# KiCad board rcbus-ymf262-panel.kicad_pcb (continued)
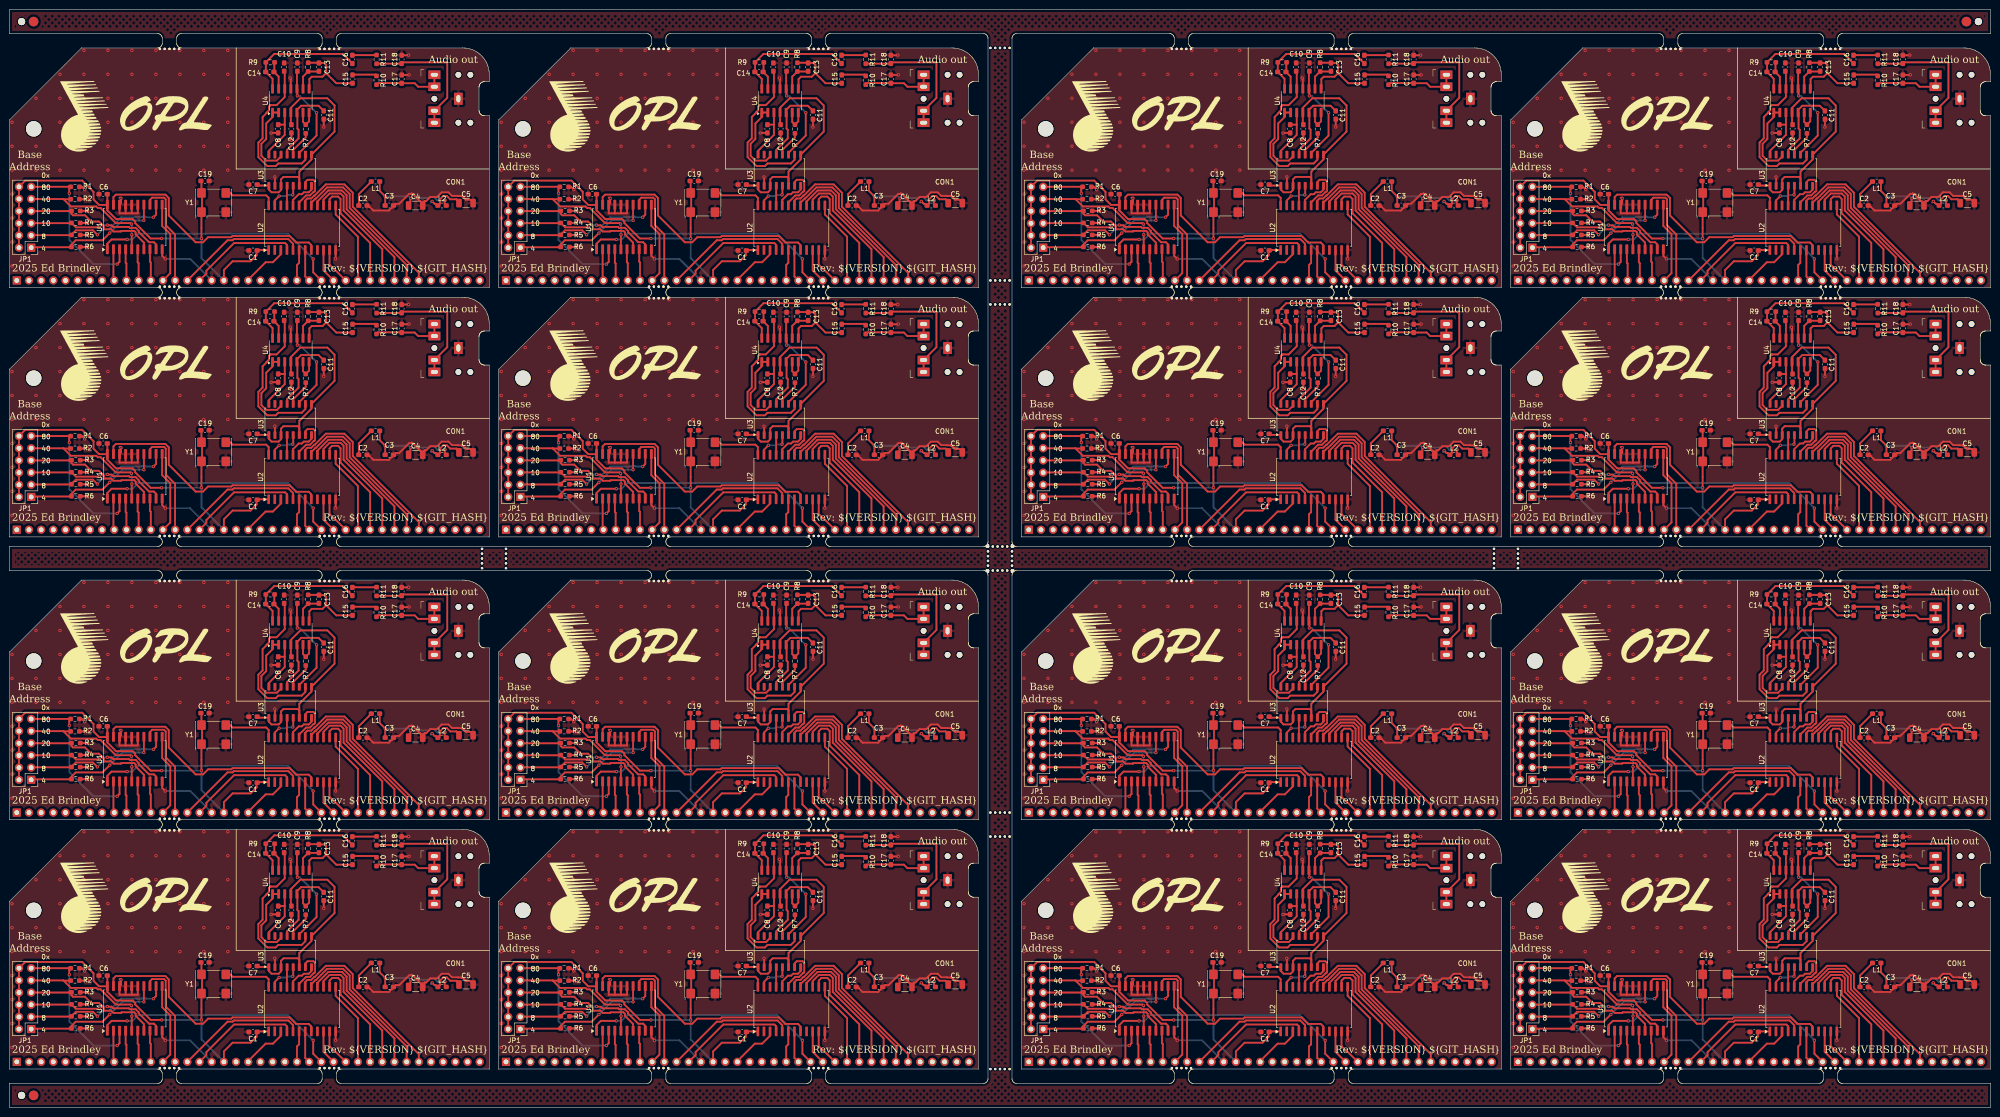
[diagram p0: board, top side]
## Routing (per net, layer and track width the routed paths; a pad name or vN(x,y) marks a point on that pad's centre or on a via; arc(x,y) is an arc through that point) (continued)
  Back w0.381: v1(64,155.5) 60.5,159 v1(60,159)
Board_4-/CLK: length 10.9
  Front w0.381: U2#14.24 54.01,137.74 53.5,138.25 46.48,138.25 45.38,139.35
Board_4-/D0: length 7.2
  Front w0.381: U2#14.10 65.44,122.6 P1#16.27
Board_4-/D1: length 7.8
  Front w0.381: 66.7,126.84 66.7,123.79 67.67,122.81 67.77,122.81 P1#16.28
Board_4-/D2: length 17.6
  Front w0.381: U2#14.13 67.99,134.27 72.62,129.63 P1#16.29
Board_4-/D3: length 23.6
  Front w0.381: U2#14.14 66.71,137.47 67.25,138 68.5,138 69,137.5 69,134.5 75.16,128.34 P1#16.30
Board_4-/D4: length 27
  Front w0.381: P1#16.31 77.7,127.03 69.63,135.1 69.63,138.01 69.01,138.64 66.73,138.64 65.44,137.35 U2#14.15
Board_4-/D5: length 30.2
  Front w0.381: P1#16.32 80.24,125.39 70.27,135.36 70.27,138.28 69.28,139.27 66.46,139.27 64.18,136.98 U2#14.16
Board_4-/D6: length 33.4
  Front w0.381: U2#14.17 62.9,136.71 63.79,137.6 63.89,137.6 66.2,139.91 69.54,139.91 70.91,138.54 70.91,135.62 82.78,123.75 P1#16.33
Board_4-/D7: length 37
  Front w0.381: U2#14.18 61.63,137.15 62.08,137.6 62.89,137.6 63.52,138.23 63.63,138.23 65.94,140.54 69.8,140.54 71.54,138.8 71.54,135.89 85.32,122.11 P1#16.34
Board_4-/DAC_CLK: length 7.2
  Front w0.381: U3#15.5 59.13,138.45 v1(59.04,138.36) ; U2#14.23 55.29,137.19 v1(56.2,138.1)
  Back w0.381: v1(59.04,138.36) 58.98,138.3 57.93,138.3 57.73,138.1 v1(56.2,138.1)
Board_4-/DOAB: length 4.1
  Front w0.381: U2#14.21 57.82,140.21 U3#15.4
Board_4-/L: length 18.1
  Front w0.381: 66,163.75 66,165.5 65.64,165.86 C13#9.1 64.45,165.91 R8#8.2 ; 66,163.75 68.11,161.64 C15#13.1 ; 66,163.75 65.25,163 63,163 62.5,162.5 62.5,160.53 U4#5.8
Board_4-/R: length 25.7
  Front w0.381: C16#11.1 69.46,167.75 55.18,167.75 R9#2.2 53.43,164.04 C14#4.2 54.83,162.56 U4#5.14
Board_4-/SMPAC: length 6.7
  Front w0.381: U3#15.8 62.94,139.45 62.38,138.89 61.34,138.89 60.94,138.49 60.28,138.49 59.1,137.3 U2#14.20
Board_4-/SMPBD: length 10.1
  Front w0.381: U3#15.7 61.68,141.05 62.12,141.5 63.35,141.5 63.69,141.15 63.69,139.2 63.5,139 63.4,139 62.63,138.23 61.82,138.23 60.37,136.78 U2#14.19
Board_4-/~{CS}: length 51.7
  Front w0.381: U2#14.8 62.9,127.9 62.38,128.42 59.73,128.42 58.38,129.77 46.47,129.77 46.22,129.52 41.38,129.52 40.33,128.46 38.79,128.46 33.19,134.06 33.19,137.69 32.47,138.41 22.15,138.41 21.65,137.9 U1#10.19
Board_4-/~{IORQ}: length 52.4
  Front w0.381: P1#16.26 63.3,122.2 v1(63.3,125) ; v1(24.5,129.05) 21.26,129.05 20.38,128.17 U1#10.1
  Back w0.381: v1(24.5,129.05) 25.6,129.05 26.8,130.25 36.39,130.25 36.42,130.21 37.08,130.21 37.11,130.25 58.05,130.25 v1(63.3,125)
Board_4-/~{RD}: length 6.7
  Front w0.381: U2#14.7 61.63,121.33 P1#16.25
Board_4-/~{RESET}: length 9.8
  Front w0.381: 49.76,120.68 53.39,124.3 54.9,124.3 56.56,125.96 56.56,126.74 56.5,126.8
Board_4-/~{WR}: length 6.5
  Front w0.381: P1#16.24 59.92,123.72 60.37,124.17 U2#14.6
Board_4-GND: length 76.5
  Front w0.381: 25.5,134.5 26.73,134.5 26.73,135.84 ; 25.5,134.5 25.46,134.54 U1#10.16 ; 25.5,134.5 24.2,134.5 ; 24.2,134.5 22.92,134.5 22.92,135.71 ; 24.2,134.5 24.19,134.51 U1#10.17 ; R6#9.2 16.18,127.48 v1(16.2,127.5) ; v1(83.3,163.4) 83.26,163.36 C17#9.2 ; C12.2 v1(58.75,149.75) ; v1(15.64,139.44) 15.06,140.03 R1#16.2 ; C2#4.2 75.06,135.85 75.07,135.85 75.83,135.09 79.11,135.09 79.68,135.66 79.68,135.67 C3#7.2 80.52,136.5 80.53,136.51 81.24,136.51 83.28,138.55 83.68,138.55 83.81,138.67 83.94,138.55 84.04,138.55 85.58,137.01 85.66,137.01 85.68,136.99 C4#5.2 86.52,137.02 86.52,137.03 86.54,137.06 86.87,137.06 87.72,137.91 89.13,137.91 90.1,138.88 91.49,138.88 92.23,138.14 93.45,138.14 93.49,138.11 94.25,138.11 94.26,138.1 94.3,138.1 94.31,138.09 94.35,138.09 94.38,138.06 94.39,138.06 94.42,138.03 94.43,138.03 95.13,137.33 96.08,137.33 C5#2.2 ; C11.2 v1(65.5,152.5) ; R2#2.2 16.14,137.44 v1(16.2,137.5) ; 22.92,137.77 23.23,137.77 v1(23.23,137.62) 23.23,136.61 U1#10.18 ; R4#16.2 v1(16.2,132.5) ; C8#15.2 54.52,151.28 v1(54.5,151.25) ; R3#2.2 16.19,135.01 v1(16.2,135) ; U4#5.11 58.64,162.61 v1(58.5,162.75) ; v1(55.3,142.1) 55.32,142.08 U3#15.2 ; C18.2 83.16,167.48 v1(83.2,167.51) ; v1(16.2,130) 16.19,129.99 R5.2 ; v1(32.46,125) 31.81,125.64 U1#10.10 ; 42.67,120.5 P1#16.17 ; U2#14.12 v1(67.99,125)
  Back w0.381: v1(32.46,125) 37.64,125 P1#16.17
  vias: v1(0.5,153.5) v1(0.5,148.5) v1(0.5,143.5) v1(0.5,138.5) v1(0.5,133.5) v1(0.5,128.5) v1(0.5,123.5) v1(5.5,158.5) v1(5.5,148.5) v1(5.5,143.5) v1(10.5,163.5) v1(10.5,158.5) v1(10.5,153.5) v1(10.5,148.5) v1(10.5,143.5) v1(15.5,168.5) v1(15.5,163.5) v1(15.5,158.5) v1(15.5,153.5) v1(15.5,148.5) v1(15.5,143.5) v1(20.5,168.5) v1(20.5,163.5) v1(20.5,158.5) v1(20.5,153.5) v1(20.5,148.5) v1(20.5,143.5) v1(25.5,168.5) v1(25.5,163.5) v1(25.5,158.5) v1(25.5,153.5) v1(25.5,148.5) v1(25.5,143.5) v1(30.5,168.5) v1(30.5,163.5) v1(30.5,158.5) v1(30.5,153.5) v1(30.5,148.5) v1(30.5,143.5) v1(35.5,168.5) v1(35.5,163.5) v1(35.5,158.5) v1(35.5,153.5) v1(35.5,148.5) v1(35.5,143.5) v1(40.5,168.5) v1(40.5,163.5) v1(40.5,158.5) v1(40.5,153.5) v1(40.5,148.5) v1(40.5,143.5) v1(45.5,168.5) v1(45.5,163.5) v1(45.5,158.5) v1(45.5,153.5) v1(45.5,148.5) v1(45.5,143.5)
Board_4-Net-(C3-Pad1): length 21.1
  Front w0.381: L2#3.2 90.71,136.6 90.71,137.12 v1(90.79,137.21) ; v1(83.66,137.63) 83.57,137.54 83.57,137.02 C4#5.1 ; L1#2.1 77.17,139.18 v1(78.32,138.03) 78.32,136.52 78.41,136.42
  Back w0.381: v1(78.32,138.03) 83.26,138.03 v1(83.66,137.63) 87.44,137.63 87.72,137.91 88.47,137.91 89.18,137.21 v1(90.79,137.21)
Board_4-Net-(C15-Pad2): length 5.1
  Front w0.381: R10#2.1 76.22,163.44 71.58,163.44 C15#13.2
Board_4-Net-(C16-Pad2): length 4.5
  Front w0.381: 76.23,167.5 71.75,167.5
Board_4-Net-(C17-Pad1): length 15
  Front w0.381: CON1#3.T CON1#3.TN 85.19,160.91 84.46,161.64 C17#9.1 81.54,161.64 81.5,161.68 76.84,161.68 R10#2.2
Board_4-Net-(C18-Pad1): length 28
  Front w0.381: CON1#3.R CON1#3.RN 91.25,158.59 91.25,166 81.99,166 C18.1 ; 76.8,165.73 81.45,165.73
Board_4-Net-(JP1-Pin_1): length 28.7
  Front w0.381: 5.16,127.43 12.6,127.43 R6#9.1 12.9,128 13.78,128.88 19.36,128.88 v1(20.87,130.38) ; U1#10.14 v1(28,133.03)
  Back w0.381: v1(20.87,130.38) 23.53,133.05 25.92,133.05 25.94,133.03 v1(28,133.03)
Board_4-Net-(JP1-Pin_3): length 30.8
  Front w0.381: v1(18.31,130.03) 17.39,130.95 13.8,130.95 13.28,130.42 R5.1 12.6,129.94 4.56,129.94 JP1#11.3 ; v1(30,133.68) 30.54,134.22 U1#10.12
  Back w0.381: v1(18.31,130.03) 19.45,131.17 20.76,131.17 23.27,133.68 27.54,133.68 27.67,133.81 28.33,133.81 28.46,133.68 v1(30,133.68)
Board_4-Net-(JP1-Pin_5): length 29.4
  Front w0.381: v1(20.37,132.05) 20.42,132 21.26,132 21.59,131.67 24.87,131.67 25.07,131.47 26.29,131.47 26.92,130.84 26.92,130.63 29.08,128.47 30.09,128.47 30.54,128.03 U1#10.9 ; JP1#11.5 4.53,132.45 12.6,132.45 R4#16.1 13.82,131.58 18.64,131.58 v1(18.68,131.62)
  Back w0.381: v1(18.68,131.62) 19.1,132.05 v1(20.37,132.05)
Board_4-Net-(JP1-Pin_7): length 28.1
  Front w0.381: JP1#11.7 12.33,134.96 12.33,134.96 12.6,134.96 R3#2.1 12.9,134.4 13.21,134.09 15.72,134.09 17.02,132.79 18.62,132.79 19.63,131.78 19.63,131.25 19.71,131.17 21.19,131.17 21.65,130.71 23.21,130.71 23.34,130.84 25.99,130.84 26.29,130.54 26.29,130.11 28,128.4 28,127.6
Board_4-Net-(JP1-Pin_9): length 29.9
  Front w0.381: v1(25.48,130.05) 25.46,130.03 U1#10.5 ; 11.22,137.49 11.27,137.44 R2#2.1 ; 11.22,137.49 12.77,135.93 18.08,135.93 18.38,135.63 18.97,135.63 22.14,132.46 25.2,132.46 v1(25.4,132.26) ; 11.22,137.49 4.51,137.49
  Back w0.381: v1(25.4,132.26) 25.48,132.17 v1(25.48,130.05)
Board_4-Net-(JP1-Pin_11): length 34.5
  Front w0.381: U1#10.3 22.92,124.38 v1(22.44,123.9) ; v1(12.46,138.69) 12.43,138.71 12.43,139.56 R1#16.1 ; JP1#11.11 12.43,140.04
  Back w0.381: v1(12.46,138.69) 12.46,128.93 17.49,123.9 v1(22.44,123.9)
Board_4-Net-(U3-AOUT): length 16.9
  Front w0.381: U3#15.13 57.87,147.75 60.25,150.14 60.25,151.94 60,152.19 60,155.43 U4#5.5 59.91,156.08 60.78,156.95 64.42,156.95 C11.1
Board_4-Net-(U3-CV): length 11.5
  Front w0.381: 57.37,153 U4#5.3 ; 57.37,153 57.37,150.86 54.06,147.55 U3#15.16 ; 57.37,153 C8#15.1
Board_4-Net-(U3-MP): length 16.3
  Front w0.381: 55.99,155.53 54.94,155.53 ; U3#15.14 56.6,146.37 55.73,145.51 53.5,145.51 52.5,146.5 52.5,149 53.5,150 53.5,153.25 54.83,154.58 U4#5.1
Board_4-Net-(U3-SWIN): length 5.5
  Front w0.381: R7#6.1 61.75,150.34 59.13,147.72 U3#15.12
Board_4-Net-(U4B--): length 5.6
  Front w0.381: U4#5.6 61.18,153.57 R7#6.2 62.45,153.7 U4#5.7
Board_4-Net-(U4C--): length 6.3
  Front w0.381: C13#9.2 64.45,164.09 R8#8.1 61.18,163.02 U4#5.9
Board_4-Net-(U4D--): length 6
  Front w0.381: U4#5.13 56.1,163.02 C14#4.1 55.2,164.08 55.2,165.72 R9#2.1
Board_4-VCC: length 103.5
  Front w0.381: C2#4.1 72.82,136.15 72.82,138.52 75,140.7 L1#2.2 ; v1(40,129.25) 40,134.03 40.12,134.15 40.12,139.35 ; P1#16.18 44.68,122.68 46.5,124.5 50.25,124.5 51.5,125.75 51.5,126.75 C1#13.1 51.71,126.85 U2#14.1 ; v1(31.71,129.25) 29.41,129.25 26.18,132.48 26.18,132.79 25.66,133.31 22.19,133.31 20.38,135.12 U1#10.20 20.38,138.48 C6#16.1 ; JP1#11.2 JP1#11.12 3.26,141.34 15.14,141.34 17.5,138.98 17.5,137.41 18.65,136.26 20.33,136.26 ; Y1#3.4 40,141.14 C19#12.1
  Back w0.381: P1#16.18 40,125.18 v1(40,129.25) v1(31.71,129.25)
Board_5-+5VA: length 56.5
  Front w0.381: v1(190.1,137) 190.59,136.5 190.81,136.5 L2#5.1 191.71,136.56 191.72,136.57 191.72,137.42 192.42,138.12 193.17,138.12 193.87,137.43 195.16,137.43 195.16,137.42 C5#15.1 ; C7#5.1 153.81,140.3 156,140.3 U3#6.1 156.05,139.45 156.62,138.89 158.1,138.89 158.6,139.38 U3#6.3 158.6,141.6 159.1,142.1 162.11,142.1 162.4,141.8 U3#6.6 162.4,143.21 164.95,145.75 U3#6.9 169.75,151.56 169.75,157 168.25,158.5 162.61,158.5 160.64,156.52 U4#12.4 160.64,153.11 C12#14.1
  Back w0.381: v1(190.1,137) 189.82,136.72
Board_5-/A0: length 23
  Front w0.381: P1#4.16 143.02,121.92 143.02,122.52 148.8,128.3 159.45,128.3 159.83,127.93 U2#15.4
Board_5-/A1: length 27.3
  Front w0.381: U2#15.5 161.1,128.16 160.12,129.14 148.74,129.14 148.49,128.89 147.45,128.89 P1#4.15
Board_5-/A2: length 22.4
  Front w0.381: P1#4.14 136.5,120.52 136.5,130.09 134.56,132.04 134.56,137.43 134.21,137.77 131.72,137.77 131.27,137.33 U1#7.13
Board_5-/A3: length 17.1
  Front w0.381: 133.8,136.29 133.8,131.89 135.5,130.19 135.5,122.02 P1#4.13
Board_5-/A4: length 6.6
  Front w0.381: P1#4.12 131.44,124.26 131.27,124.43 131.27,126.94 131.3,126.97
Board_5-/A5: length 6.6
  Front w0.381: P1#4.11 128.9,124.1 128.7,124.3 128.7,126.97
Board_5-/A6: length 6.6
  Front w0.381: P1#4.10 126.36,124.04 126.2,124.2 126.2,126.99
Board_5-/A7: length 6.6
  Front w0.381: P1#4.9 123.65,120.67 U1#7.2
Board_5-/AUDIO_CH1: length 33.2
  Front w0.381: C10#3.1 159.37,164.02 U4#12.12 159.37,158.77 157.67,157.07 156.44,157.07 156.44,157.07 156.41,157.07 156.41,157.06 156.38,157.06 156.37,157.05 156.36,157.05 156.34,157.03 156.33,157.03 156.08,156.78 156.08,156 155.6,155.52 155.6,155.48 155.59,155.47 155.59,155.44 154.75,154.59 154.75,150.15 153.87,149.26 153.87,146.24 155.74,144.37 157.48,144.37 158.02,144.9 162.9,144.9 163.67,145.68 U3#6.10
Board_5-/AUDIO_CH2: length 20.9
  Front w0.381: U3#6.11 162.4,147.13 166,150.72 v1(166,155.5) ; v1(162,159) 162,160.38 U4#12.10 161.91,164.05 C9#6.1
  Back w0.381: v1(162,159) 162.5,159 v1(166,155.5)
Board_5-/CLK: length 10.9
  Front w0.381: U2#15.24 156.01,137.74 155.5,138.25 148.48,138.25 147.38,139.35
Board_5-/D0: length 7.2
  Front w0.381: P1#4.27 167.45,122.6 U2#15.10
Board_5-/D1: length 7.8
  Front w0.381: 168.7,126.84 168.7,123.79 169.67,122.81 169.77,122.81 P1#4.28
Board_5-/D2: length 17.6
  Front w0.381: P1#4.29 174.62,129.63 169.99,134.27 U2#15.13
Board_5-/D3: length 23.6
  Front w0.381: U2#15.14 168.72,137.47 169.25,138 170.5,138 171,137.5 171,134.5 177.16,128.34 P1#4.30
Board_5-/D4: length 27
  Front w0.381: U2#15.15 167.45,137.35 168.73,138.64 171.01,138.64 171.63,138.01 171.63,135.1 179.7,127.03 P1#4.31
Board_5-/D5: length 30.2
  Front w0.381: U2#15.16 166.17,136.98 168.46,139.27 171.28,139.27 172.27,138.28 172.27,135.36 182.24,125.39 P1#4.32
Board_5-/D6: length 33.4
  Front w0.381: P1#4.33 184.78,123.75 172.91,135.62 172.91,138.54 171.54,139.91 168.2,139.91 165.89,137.6 165.79,137.6 164.9,136.71 U2#15.17
Board_5-/D7: length 37
  Front w0.381: U2#15.18 163.63,137.15 164.08,137.6 164.89,137.6 165.52,138.23 165.63,138.23 167.94,140.54 171.8,140.54 173.54,138.8 173.54,135.89 187.32,122.11 P1#4.34
Board_5-/DAC_CLK: length 7.2
  Front w0.381: U3#6.5 161.13,138.45 v1(161.04,138.36) ; v1(158.2,138.1) 157.28,137.19 U2#15.23
  Back w0.381: v1(161.04,138.36) 160.98,138.3 159.93,138.3 159.73,138.1 v1(158.2,138.1)
Board_5-/DOAB: length 4.1
  Front w0.381: U2#15.21 159.83,140.21 U3#6.4
Board_5-/L: length 18.1
  Front w0.381: 168,163.75 167.25,163 165,163 164.5,162.5 164.5,160.53 U4#12.8 ; 168,163.75 170.11,161.64 C15#2.1 ; 168,163.75 168,165.5 167.64,165.86 C13#14.1 166.45,165.91 R8#4.2
Board_5-/R: length 25.7
  Front w0.381: U4#12.14 156.83,162.56 C14#12.2 155.42,164.04 R9#3.2 157.17,167.75 171.46,167.75 C16.1
Board_5-/SMPAC: length 6.7
  Front w0.381: U3#6.8 164.95,139.45 164.38,138.89 163.34,138.89 162.94,138.49 162.28,138.49 161.1,137.3 U2#15.20
Board_5-/SMPBD: length 10.1
  Front w0.381: U2#15.19 162.37,136.78 163.82,138.23 164.63,138.23 165.4,139 165.5,139 165.69,139.2 165.69,141.15 165.35,141.5 164.12,141.5 163.67,141.05 U3#6.7
Board_5-/~{CS}: length 51.7
  Front w0.381: U2#15.8 164.9,127.9 164.38,128.42 161.73,128.42 160.38,129.77 148.47,129.77 148.22,129.52 143.38,129.52 142.33,128.46 140.79,128.46 135.19,134.06 135.19,137.69 134.47,138.41 124.15,138.41 123.65,137.9 U1#7.19
Board_5-/~{IORQ}: length 52.4
  Front w0.381: P1#4.26 165.3,122.2 v1(165.3,125) ; U1#7.1 122.38,128.17 123.26,129.05 v1(126.5,129.05)
  Back w0.381: v1(126.5,129.05) 127.6,129.05 128.8,130.25 138.39,130.25 138.42,130.21 139.08,130.21 139.11,130.25 160.05,130.25 v1(165.3,125)
Board_5-/~{RD}: length 6.7
  Front w0.381: U2#15.7 163.63,121.33 P1#4.25
Board_5-/~{RESET}: length 9.8
  Front w0.381: 158.5,126.8 158.55,126.74 158.55,125.96 156.9,124.3 155.39,124.3 151.76,120.68
Board_5-/~{WR}: length 6.5
  Front w0.381: U2#15.6 162.37,124.17 161.92,123.72 P1#4.24
Board_5-GND: length 76.5
  Front w0.381: R2#14.2 118.14,137.44 v1(118.2,137.5) ; v1(185.2,167.51) 185.16,167.48 C18#2.2 ; U1#7.16 127.46,134.54 127.5,134.5 ; C8#10.2 156.52,151.28 v1(156.5,151.25) ; U1#7.17 126.19,134.51 126.2,134.5 ; U4#12.11 160.64,162.61 v1(160.5,162.75) ; 127.5,134.5 128.73,134.5 128.73,135.84 ; 127.5,134.5 126.2,134.5 ; R6#10.2 118.18,127.48 v1(118.2,127.5) ; U3#6.2 157.33,142.08 v1(157.3,142.1) ; v1(134.46,125) 133.81,125.64 U1#7.10 ; 124.92,137.77 125.23,137.77 v1(125.23,137.62) 125.23,136.61 U1#7.18 ; C11#6.2 v1(167.5,152.5) ; C5#15.2 198.08,137.33 197.13,137.33 196.43,138.03 196.42,138.03 196.39,138.06 196.38,138.06 196.35,138.09 196.31,138.09 196.3,138.1 196.26,138.1 196.25,138.11 195.49,138.11 195.45,138.14 194.23,138.14 193.49,138.88 192.1,138.88 191.13,137.91 189.72,137.91 188.87,137.06 188.54,137.06 188.52,137.03 188.52,137.02 C4#4.2 187.68,136.99 187.66,137.01 187.58,137.01 186.04,138.55 185.94,138.55 185.81,138.67 185.68,138.55 185.28,138.55 183.24,136.51 182.53,136.51 182.52,136.5 C3#15.2 181.68,135.67 181.68,135.66 181.11,135.09 177.83,135.09 177.07,135.85 177.06,135.85 C2#13.2 ; 126.2,134.5 124.92,134.5 124.92,135.71 ; R4#4.2 v1(118.2,132.5) ; v1(118.2,130) 118.19,129.99 R5#5.2 ; R3.2 118.19,135.01 v1(118.2,135) ; C17#14.2 185.26,163.36 v1(185.3,163.4) ; v1(117.64,139.44) 117.06,140.03 R1#6.2 ; U2#15.12 v1(169.99,125) ; C12#14.2 v1(160.75,149.75) ; 144.67,120.5 P1#4.17
  Back w0.381: P1#4.17 139.64,125 v1(134.46,125)
  vias: v1(102.5,153.5) v1(102.5,148.5) v1(102.5,143.5) v1(102.5,138.5) v1(102.5,133.5) v1(102.5,128.5) v1(102.5,123.5) v1(107.5,158.5) v1(107.5,148.5) v1(107.5,143.5) v1(112.5,163.5) v1(112.5,158.5) v1(112.5,153.5) v1(112.5,148.5) v1(112.5,143.5) v1(117.5,168.5) v1(117.5,163.5) v1(117.5,158.5) v1(117.5,153.5) v1(117.5,148.5) v1(117.5,143.5) v1(122.5,168.5) v1(122.5,163.5) v1(122.5,158.5) v1(122.5,153.5) v1(122.5,148.5) v1(122.5,143.5) v1(127.5,168.5) v1(127.5,163.5) v1(127.5,158.5) v1(127.5,153.5) v1(127.5,148.5) v1(127.5,143.5) v1(132.5,168.5) v1(132.5,163.5) v1(132.5,158.5) v1(132.5,153.5) v1(132.5,148.5) v1(132.5,143.5) v1(137.5,168.5) v1(137.5,163.5) v1(137.5,158.5) v1(137.5,153.5) v1(137.5,148.5) v1(137.5,143.5) v1(142.5,168.5) v1(142.5,163.5) v1(142.5,158.5) v1(142.5,153.5) v1(142.5,148.5) v1(142.5,143.5) v1(147.5,168.5) v1(147.5,163.5) v1(147.5,158.5) v1(147.5,153.5) v1(147.5,148.5) v1(147.5,143.5)
Board_5-Net-(C3-Pad1): length 21.1
  Front w0.381: L2#5.2 192.71,136.6 192.71,137.12 v1(192.79,137.21) ; L1#9.1 179.17,139.18 v1(180.32,138.03) 180.32,136.52 180.41,136.42 ; C4#4.1 185.57,137.02 185.57,137.54 v1(185.66,137.63)
  Back w0.381: v1(192.79,137.21) 191.18,137.21 190.47,137.91 189.72,137.91 189.44,137.63 v1(185.66,137.63) 185.26,138.03 v1(180.32,138.03)
Board_5-Net-(C15-Pad2): length 5.1
  Front w0.381: R10#4.1 178.22,163.44 173.58,163.44 C15#2.2
Board_5-Net-(C16-Pad2): length 4.5
  Front w0.381: 173.75,167.5 178.23,167.5
Board_5-Net-(C17-Pad1): length 15
  Front w0.381: R10#4.2 178.84,161.68 183.5,161.68 183.54,161.64 C17#14.1 186.46,161.64 187.2,160.91 CON1#15.TN CON1#15.T
Board_5-Net-(C18-Pad1): length 28
  Front w0.381: CON1#15.R CON1#15.RN 193.25,158.59 193.25,166 183.99,166 C18#2.1 ; 183.45,165.73 178.8,165.73
Board_5-Net-(JP1-Pin_1): length 28.7
  Front w0.381: v1(122.87,130.38) 121.36,128.88 115.78,128.88 114.9,128 R6#10.1 114.6,127.43 107.16,127.43 ; U1#7.14 v1(130,133.03)
  Back w0.381: v1(130,133.03) 127.94,133.03 127.92,133.05 125.53,133.05 v1(122.87,130.38)
Board_5-Net-(JP1-Pin_3): length 30.8
  Front w0.381: v1(120.31,130.03) 119.39,130.95 115.8,130.95 115.28,130.42 R5#5.1 114.6,129.94 106.56,129.94 JP1#7.3 ; U1#7.12 132.54,134.22 v1(132,133.68)
  Back w0.381: v1(132,133.68) 130.46,133.68 130.33,133.81 129.67,133.81 129.54,133.68 125.27,133.68 122.76,131.17 121.45,131.17 v1(120.31,130.03)
Board_5-Net-(JP1-Pin_5): length 29.4
  Front w0.381: U1#7.9 132.54,128.03 132.09,128.47 131.08,128.47 128.92,130.63 128.92,130.84 128.29,131.47 127.07,131.47 126.87,131.67 123.59,131.67 123.26,132 122.42,132 v1(122.37,132.05) ; JP1#7.5 106.53,132.45 114.6,132.45 R4#4.1 115.82,131.58 120.64,131.58 v1(120.68,131.62)
  Back w0.381: v1(120.68,131.62) 121.1,132.05 v1(122.37,132.05)
Board_5-Net-(JP1-Pin_7): length 28.1
  Front w0.381: 130,127.6 130,128.4 128.29,130.11 128.29,130.54 127.99,130.84 125.34,130.84 125.21,130.71 123.65,130.71 123.19,131.17 121.71,131.17 121.63,131.25 121.63,131.78 120.62,132.79 119.02,132.79 117.72,134.09 115.21,134.09 114.9,134.4 R3.1 114.6,134.96 114.33,134.96 114.33,134.96 JP1#7.7
Board_5-Net-(JP1-Pin_9): length 29.9
  Front w0.381: 113.22,137.49 114.77,135.93 120.08,135.93 120.38,135.63 120.97,135.63 124.14,132.46 127.2,132.46 v1(127.4,132.26) ; 113.22,137.49 113.27,137.44 R2#14.1 ; 113.22,137.49 106.51,137.49 ; U1#7.5 127.46,130.03 v1(127.48,130.05)
  Back w0.381: v1(127.48,130.05) 127.48,132.17 v1(127.4,132.26)
Board_5-Net-(JP1-Pin_11): length 34.5
  Front w0.381: U1#7.3 124.92,124.38 v1(124.44,123.9) ; v1(114.46,138.69) 114.43,138.71 114.43,139.56 R1#6.1 ; 114.43,140.04 JP1#7.11
  Back w0.381: v1(114.46,138.69) 114.46,128.93 119.49,123.9 v1(124.44,123.9)
Board_5-Net-(U3-AOUT): length 16.9
  Front w0.381: U3#6.13 159.87,147.75 162.25,150.14 162.25,151.94 162,152.19 162,155.43 U4#12.5 161.91,156.08 162.78,156.95 166.42,156.95 C11#6.1
Board_5-Net-(U3-CV): length 11.5
  Front w0.381: 159.37,153 U4#12.3 ; 159.37,153 159.37,150.86 156.05,147.55 U3#6.16 ; 159.37,153 C8#10.1
Board_5-Net-(U3-MP): length 16.3
  Front w0.381: 157.99,155.53 156.94,155.53 ; U4#12.1 156.83,154.58 155.5,153.25 155.5,150 154.5,149 154.5,146.5 155.5,145.51 157.73,145.51 158.6,146.37 U3#6.14
Board_5-Net-(U3-SWIN): length 5.5
  Front w0.381: R7#14.1 163.75,150.34 161.13,147.72 U3#6.12
Board_5-Net-(U4B--): length 5.6
  Front w0.381: U4#12.7 164.45,153.7 R7#14.2 163.18,153.57 U4#12.6
Board_5-Net-(U4C--): length 6.3
  Front w0.381: U4#12.9 163.18,163.02 R8#4.1 166.45,164.09 C13#14.2
Board_5-Net-(U4D--): length 6
  Front w0.381: U4#12.13 158.1,163.02 C14#12.1 157.2,164.08 157.2,165.72 R9#3.1
Board_5-VCC: length 103.5
  Front w0.381: v1(133.71,129.25) 131.41,129.25 128.18,132.48 128.18,132.79 127.66,133.31 124.19,133.31 122.38,135.12 U1#7.20 122.38,138.48 C6#14.1 ; 122.33,136.26 120.65,136.26 119.5,137.41 119.5,138.98 117.14,141.34 105.26,141.34 JP1#7.12 JP1#7.2 ; C19#10.1 142,141.14 Y1#13.4 ; C2#13.1 174.82,136.15 174.82,138.52 177,140.7 L1#9.2 ; 142.12,139.35 142.12,134.15 142,134.03 v1(142,129.25) ; U2#15.1 153.71,126.85 C1#2.1 153.5,126.75 153.5,125.75 152.25,124.5 148.5,124.5 146.68,122.68 P1#4.18
  Back w0.381: P1#4.18 142,125.18 v1(142,129.25) v1(133.71,129.25)
Board_6-+5VA: length 56.5
  Front w0.381: C5#12.1 304.16,137.42 304.16,137.43 302.87,137.43 302.17,138.12 301.42,138.12 300.72,137.42 300.72,136.57 300.71,136.56 L2#8.1 299.81,136.5 299.59,136.5 v1(299.1,137) ; C12#16.1 269.64,153.11 U4#11.4 269.64,156.52 271.61,158.5 277.25,158.5 278.75,157 278.75,151.56 U3#5.9 273.95,145.75 271.4,143.21 U3#5.6 271.4,141.8 271.11,142.1 268.1,142.1 267.6,141.6 U3#5.3 267.6,139.38 267.1,138.89 265.62,138.89 265.05,139.45 U3#5.1 265,140.3 262.81,140.3 C7#13.1
  Back w0.381: v1(299.1,137) 298.82,136.72
Board_6-/A0: length 23
  Front w0.381: U2#5.4 268.83,127.93 268.45,128.3 257.8,128.3 252.02,122.52 252.02,121.92 P1#13.16
Board_6-/A1: length 27.3
  Front w0.381: U2#5.5 270.1,128.16 269.12,129.14 257.74,129.14 257.49,128.89 256.45,128.89 P1#13.15
Board_6-/A2: length 22.4
  Front w0.381: P1#13.14 245.5,120.52 245.5,130.09 243.56,132.04 243.56,137.43 243.21,137.77 240.72,137.77 240.27,137.33 U1#13.13
Board_6-/A3: length 17.1
  Front w0.381: P1#13.13 244.5,122.02 244.5,130.19 242.8,131.89 242.8,136.29
Board_6-/A4: length 6.6
  Front w0.381: P1#13.12 240.44,124.26 240.27,124.43 240.27,126.94 240.3,126.97
Board_6-/A5: length 6.6
  Front w0.381: 237.7,126.97 237.7,124.3 237.9,124.1 P1#13.11
Board_6-/A6: length 6.6
  Front w0.381: 235.2,126.99 235.2,124.2 235.36,124.04 P1#13.10
Board_6-/A7: length 6.6
  Front w0.381: U1#13.2 232.65,120.67 P1#13.9
Board_6-/AUDIO_CH1: length 33.2
  Front w0.381: U3#5.10 272.67,145.68 271.9,144.9 267.02,144.9 266.48,144.37 264.74,144.37 262.87,146.24 262.87,149.26 263.75,150.15 263.75,154.59 264.59,155.44 264.59,155.47 264.6,155.48 264.6,155.52 265.08,156 265.08,156.78 265.33,157.03 265.34,157.03 265.36,157.05 265.37,157.05 265.38,157.06 265.41,157.06 265.41,157.07 265.44,157.07 265.44,157.07 266.67,157.07 268.37,158.77 U4#11.12 268.37,164.02 C10#6.1
Board_6-/AUDIO_CH2: length 20.9
  Front w0.381: C9#14.1 270.91,164.05 U4#11.10 271,160.38 v1(271,159) ; v1(275,155.5) 275,150.72 271.4,147.13 U3#5.11
  Back w0.381: v1(271,159) 271.5,159 v1(275,155.5)
Board_6-/CLK: length 10.9
  Front w0.381: 256.38,139.35 257.48,138.25 264.5,138.25 265.01,137.74 U2#5.24
Board_6-/D0: length 7.2
  Front w0.381: P1#13.27 276.45,122.6 U2#5.10
Board_6-/D1: length 7.8
  Front w0.381: P1#13.28 278.77,122.81 278.67,122.81 277.7,123.79 277.7,126.84
Board_6-/D2: length 17.6
  Front w0.381: U2#5.13 278.99,134.27 283.62,129.63 P1#13.29
Board_6-/D3: length 23.6
  Front w0.381: U2#5.14 277.72,137.47 278.25,138 279.5,138 280,137.5 280,134.5 286.16,128.34 P1#13.30
Board_6-/D4: length 27
  Front w0.381: P1#13.31 288.7,127.03 280.63,135.1 280.63,138.01 280.01,138.64 277.73,138.64 276.45,137.35 U2#5.15
Board_6-/D5: length 30.2
  Front w0.381: U2#5.16 275.17,136.98 277.46,139.27 280.28,139.27 281.27,138.28 281.27,135.36 291.24,125.39 P1#13.32
Board_6-/D6: length 33.4
  Front w0.381: U2#5.17 273.9,136.71 274.79,137.6 274.89,137.6 277.2,139.91 280.54,139.91 281.91,138.54 281.91,135.62 293.78,123.75 P1#13.33
Board_6-/D7: length 37
  Front w0.381: U2#5.18 272.63,137.15 273.08,137.6 273.89,137.6 274.52,138.23 274.63,138.23 276.94,140.54 280.8,140.54 282.54,138.8 282.54,135.89 296.32,122.11 P1#13.34
Board_6-/DAC_CLK: length 7.2
  Front w0.381: v1(267.2,138.1) 266.28,137.19 U2#5.23 ; U3#5.5 270.13,138.45 v1(270.04,138.36)
  Back w0.381: v1(267.2,138.1) 268.73,138.1 268.93,138.3 269.98,138.3 v1(270.04,138.36)
Board_6-/DOAB: length 4.1
  Front w0.381: U3#5.4 268.83,140.21 U2#5.21
Board_6-/L: length 18.1
  Front w0.381: 277,163.75 279.11,161.64 C15#14.1 ; 277,163.75 276.25,163 274,163 273.5,162.5 273.5,160.53 U4#11.8 ; 277,163.75 277,165.5 276.64,165.86 C13.1 275.45,165.91 R8#13.2
Board_6-/R: length 25.7
  Front w0.381: U4#11.14 265.83,162.56 C14#9.2 264.42,164.04 R9#16.2 266.17,167.75 280.46,167.75 C16#15.1
Board_6-/SMPAC: length 6.7
  Front w0.381: U2#5.20 270.1,137.3 271.28,138.49 271.94,138.49 272.34,138.89 273.38,138.89 273.95,139.45 U3#5.8
Board_6-/SMPBD: length 10.1
  Front w0.381: U3#5.7 272.67,141.05 273.12,141.5 274.35,141.5 274.69,141.15 274.69,139.2 274.5,139 274.4,139 273.63,138.23 272.82,138.23 271.37,136.78 U2#5.19
Board_6-/~{CS}: length 51.7
  Front w0.381: U2#5.8 273.9,127.9 273.38,128.42 270.73,128.42 269.38,129.77 257.47,129.77 257.22,129.52 252.38,129.52 251.33,128.46 249.79,128.46 244.19,134.06 244.19,137.69 243.47,138.41 233.15,138.41 232.65,137.9 U1#13.19
